# KiCad board woodpecker.kicad_pcb (continued)
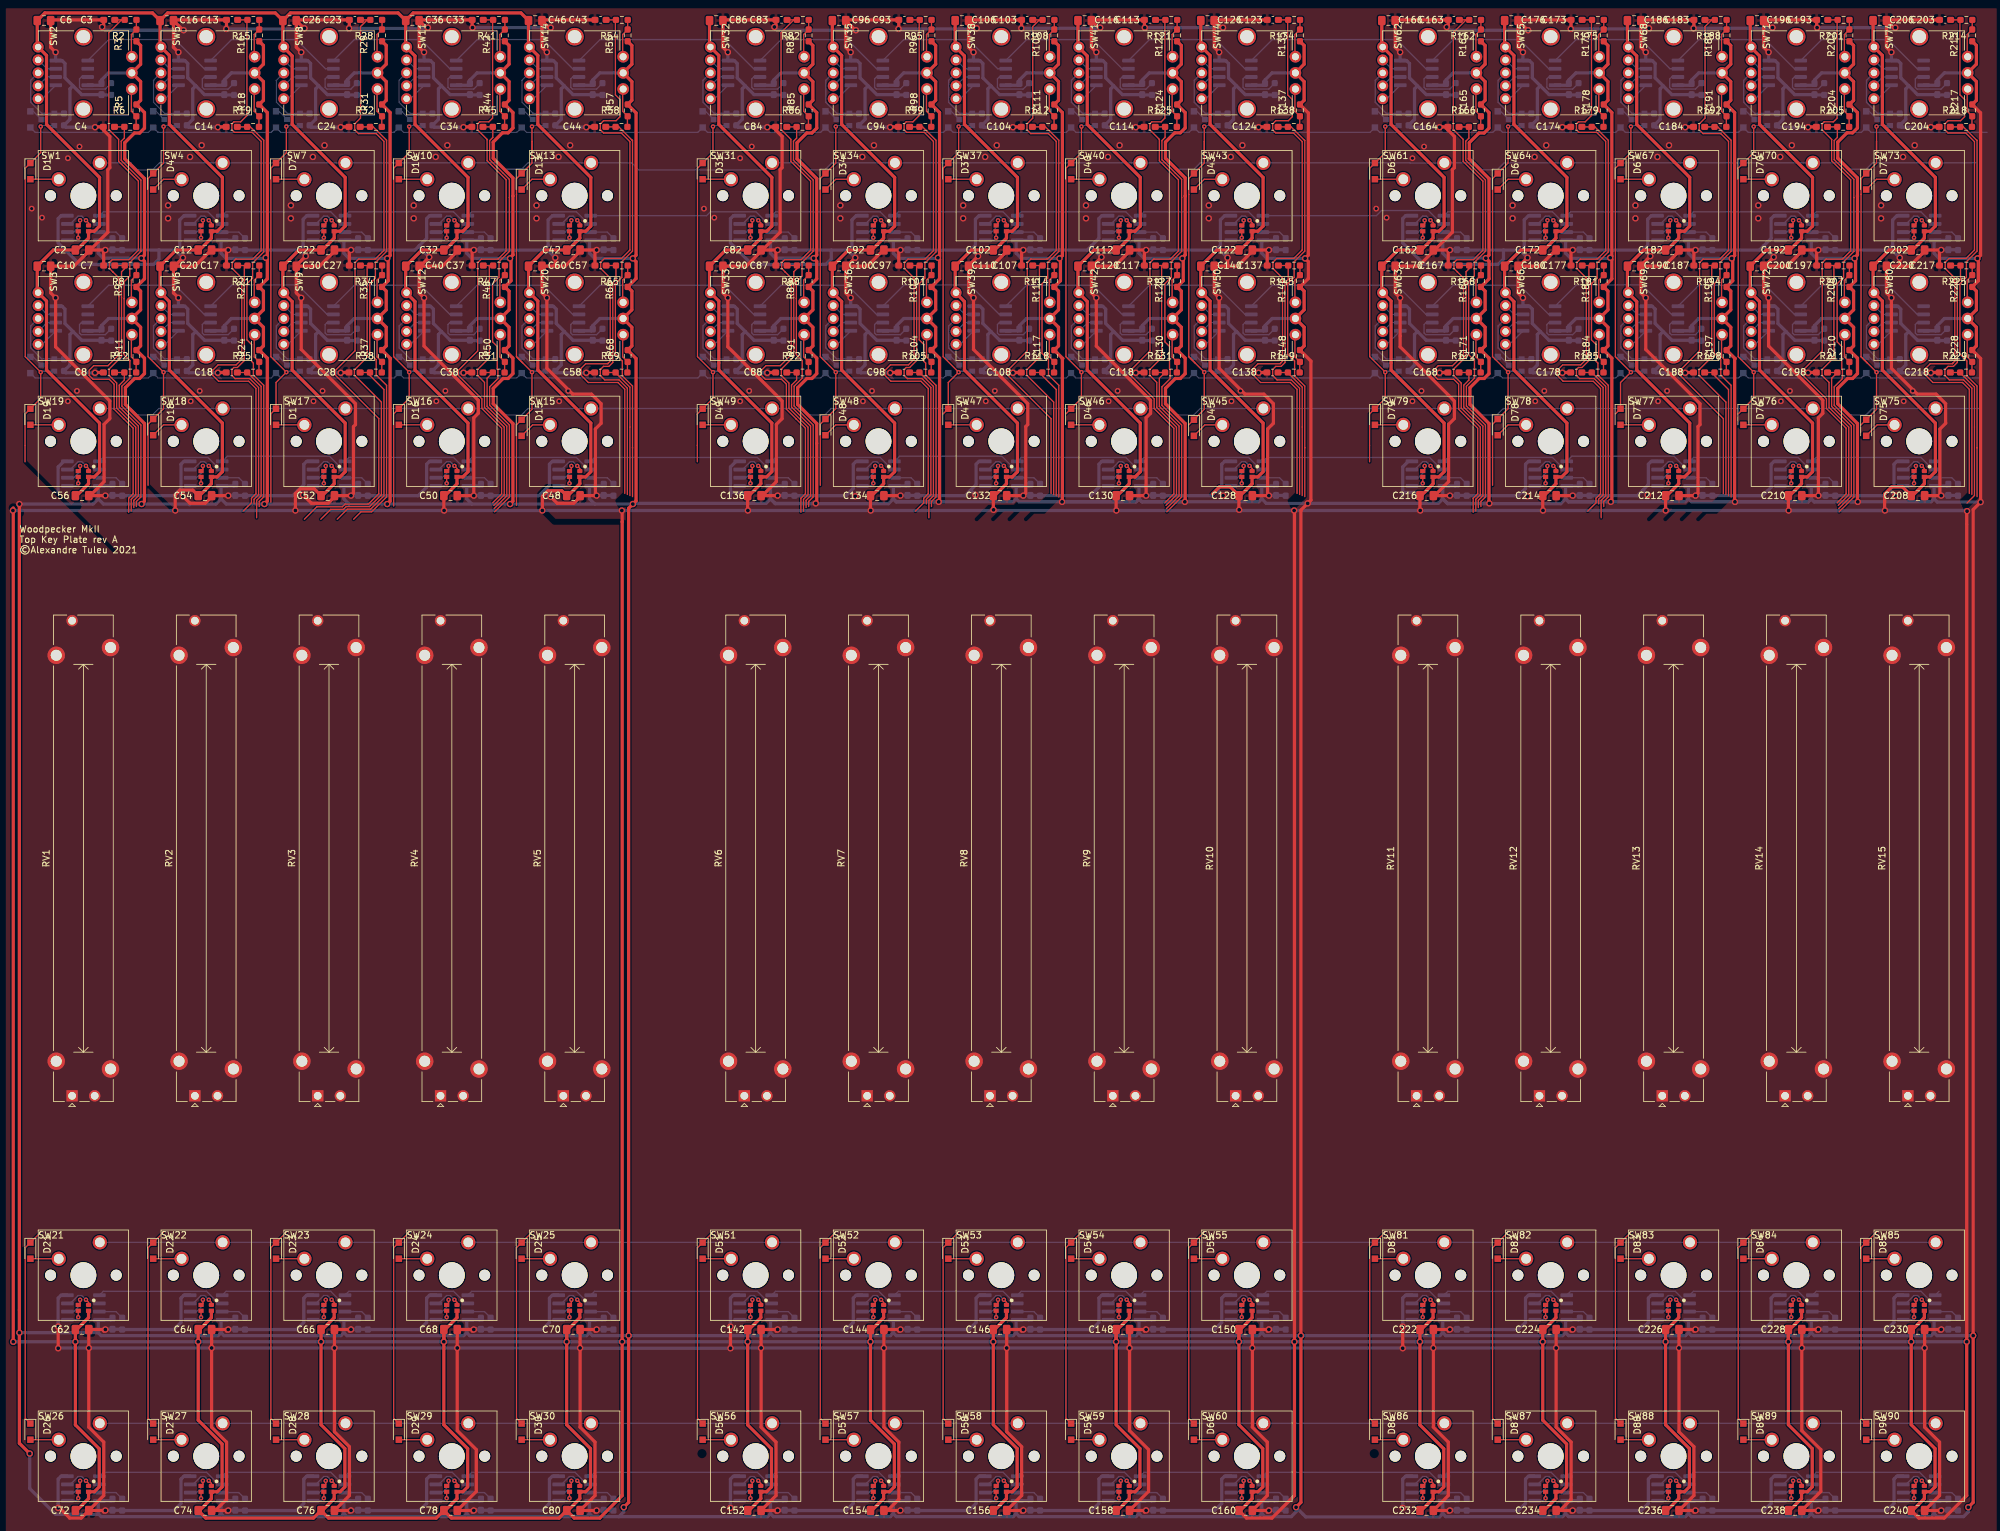
[diagram p0: board, top side]
## Nets (continued)
Net-(R65-Pad1): R65.1 R66.2 SW20.B
Net-(R67-Pad1): R67.1 U20.7
Net-(R68-Pad2): R68.2 R69.2 SW20.A
Net-(R71-Pad1): R71.1 U21.7
Net-(R72-Pad1): R72.1 U22.7
Net-(R73-Pad1): R73.1 U23.7
Net-(R74-Pad1): R74.1 U24.7
Net-(R75-Pad1): R75.1 U25.7
Net-(R76-Pad1): R76.1 U26.7
Net-(R77-Pad1): R77.1 U27.7
Net-(R78-Pad1): R78.1 U28.7
Net-(R79-Pad1): R79.1 U29.7
Net-(R80-Pad1): R80.1 U30.7
Net-(R81-Pad1): R81.1 U31.7
Net-(R82-Pad1): R82.1 R83.2 SW32.B
Net-(R84-Pad1): R84.1 U32.7
Net-(R85-Pad2): R85.2 R86.2 SW32.A
Net-(R88-Pad1): R88.1 R89.2 SW33.B
Net-(R90-Pad1): R90.1 U33.7
Net-(R91-Pad2): R91.2 R92.2 SW33.A
Net-(R94-Pad1): R94.1 U34.7
Net-(R95-Pad1): R95.1 R96.2 SW35.B
Net-(R97-Pad1): R97.1 U35.7
Net-(R98-Pad2): R98.2 R99.2 SW35.A
Net-(R101-Pad1): R101.1 R102.2 SW36.B
Net-(R103-Pad1): R103.1 U36.7
Net-(R104-Pad2): R104.2 R105.2 SW36.A
Net-(R107-Pad1): R107.1 U37.7
Net-(R108-Pad1): R108.1 R109.2 SW38.B
Net-(R110-Pad1): R110.1 U38.7
Net-(R111-Pad2): R111.2 R112.2 SW38.A
Net-(R114-Pad1): R114.1 R115.2 SW39.B
Net-(R116-Pad1): R116.1 U39.7
Net-(R117-Pad2): R117.2 R118.2 SW39.A
Net-(R120-Pad1): R120.1 U40.7
Net-(R121-Pad1): R121.1 R122.2 SW41.B
Net-(R123-Pad1): R123.1 U41.7
Net-(R124-Pad2): R124.2 R125.2 SW41.A
Net-(R127-Pad1): R127.1 R128.2 SW42.B
Net-(R129-Pad1): R129.1 U42.7
Net-(R130-Pad2): R130.2 R131.2 SW42.A
Net-(R133-Pad1): R133.1 U43.7
Net-(R134-Pad1): R134.1 R135.2 SW44.B
Net-(R136-Pad1): R136.1 U44.7
Net-(R137-Pad2): R137.2 R138.2 SW44.A
Net-(R140-Pad1): R140.1 U45.7
Net-(R141-Pad1): R141.1 U46.7
Net-(R142-Pad1): R142.1 U47.7
Net-(R143-Pad1): R143.1 U48.7
Net-(R144-Pad1): R144.1 U49.7
Net-(R145-Pad1): R145.1 R146.2 SW50.B
Net-(R147-Pad1): R147.1 U50.7
Net-(R148-Pad2): R148.2 R149.2 SW50.A
Net-(R151-Pad1): R151.1 U51.7
Net-(R152-Pad1): R152.1 U52.7
Net-(R153-Pad1): R153.1 U53.7
Net-(R154-Pad1): R154.1 U54.7
Net-(R155-Pad1): R155.1 U55.7
Net-(R156-Pad1): R156.1 U56.7
Net-(R157-Pad1): R157.1 U57.7
Net-(R158-Pad1): R158.1 U58.7
Net-(R159-Pad1): R159.1 U59.7
Net-(R160-Pad1): R160.1 U60.7
Net-(R161-Pad1): R161.1 U61.7
Net-(R162-Pad1): R162.1 R163.2 SW62.B
Net-(R164-Pad1): R164.1 U62.7
Net-(R165-Pad2): R165.2 R166.2 SW62.A
Net-(R168-Pad1): R168.1 R169.2 SW63.B
Net-(R170-Pad1): R170.1 U63.7
Net-(R171-Pad2): R171.2 R172.2 SW63.A
Net-(R174-Pad1): R174.1 U64.7
Net-(R175-Pad1): R175.1 R176.2 SW65.B
Net-(R177-Pad1): R177.1 U65.7
Net-(R178-Pad2): R178.2 R179.2 SW65.A
Net-(R181-Pad1): R181.1 R182.2 SW66.B
Net-(R183-Pad1): R183.1 U66.7
Net-(R184-Pad2): R184.2 R185.2 SW66.A
Net-(R187-Pad1): R187.1 U67.7
Net-(R188-Pad1): R188.1 R189.2 SW68.B
Net-(R190-Pad1): R190.1 U68.7
Net-(R191-Pad2): R191.2 R192.2 SW68.A
Net-(R194-Pad1): R194.1 R195.2 SW69.B
Net-(R196-Pad1): R196.1 U69.7
Net-(R197-Pad2): R197.2 R198.2 SW69.A
Net-(R200-Pad1): R200.1 U70.7
Net-(R201-Pad1): R201.1 R202.2 SW71.B
Net-(R203-Pad1): R203.1 U71.7
Net-(R204-Pad2): R204.2 R205.2 SW71.A
Net-(R207-Pad1): R207.1 R208.2 SW72.B
Net-(R209-Pad1): R209.1 U72.7
Net-(R210-Pad2): R210.2 R211.2 SW72.A
Net-(R213-Pad1): R213.1 U73.7
Net-(R214-Pad1): R214.1 R215.2 SW74.B
Net-(R216-Pad1): R216.1 U74.7
Net-(R217-Pad2): R217.2 R218.2 SW74.A
Net-(R220-Pad1): R220.1 U75.7
Net-(R221-Pad1): R221.1 U76.7
Net-(R222-Pad1): R222.1 U77.7
Net-(R223-Pad1): R223.1 U78.7
Net-(R224-Pad1): R224.1 U79.7
Net-(R225-Pad1): R225.1 R226.2 SW80.B
Net-(R227-Pad1): R227.1 U80.7
Net-(R228-Pad2): R228.2 R229.2 SW80.A
Net-(R231-Pad1): R231.1 U81.7
Net-(R232-Pad1): R232.1 U82.7
Net-(R233-Pad1): R233.1 U83.7
Net-(R234-Pad1): R234.1 U84.7
Net-(R235-Pad1): R235.1 U85.7
Net-(R236-Pad1): R236.1 U86.7
Net-(R237-Pad1): R237.1 U87.7
Net-(R238-Pad1): R238.1 U88.7
Net-(R239-Pad1): R239.1 U89.7
Net-(R240-Pad1): R240.1 U90.7
Net-(SW1-Pad1): SW1.1 U1.3
Net-(SW1-Pad2): SW1.2 U1.2
Net-(SW1-Pad4): SW1.4 U1.1
Net-(SW2-Pad1): SW2.1 U2.1
Net-(SW2-Pad2): SW2.2 U2.2
Net-(SW2-Pad4): SW2.4 U2.3
Net-(SW3-Pad1): SW3.1 U3.1
Net-(SW3-Pad2): SW3.2 U3.2
Net-(SW3-Pad4): SW3.4 U3.3
Net-(SW4-Pad1): SW4.1 U4.3
Net-(SW4-Pad2): SW4.2 U4.2
Net-(SW4-Pad4): SW4.4 U4.1
Net-(SW5-Pad1): SW5.1 U5.1
Net-(SW5-Pad2): SW5.2 U5.2
Net-(SW5-Pad4): SW5.4 U5.3
Net-(SW6-Pad1): SW6.1 U6.1
Net-(SW6-Pad2): SW6.2 U6.2
Net-(SW6-Pad4): SW6.4 U6.3
Net-(SW7-Pad1): SW7.1 U7.3
Net-(SW7-Pad2): SW7.2 U7.2
Net-(SW7-Pad4): SW7.4 U7.1
Net-(SW8-Pad1): SW8.1 U8.1
Net-(SW8-Pad2): SW8.2 U8.2
Net-(SW8-Pad4): SW8.4 U8.3
Net-(SW9-Pad1): SW9.1 U9.1
Net-(SW9-Pad2): SW9.2 U9.2
Net-(SW9-Pad4): SW9.4 U9.3
Net-(SW10-Pad1): SW10.1 U10.3
Net-(SW10-Pad2): SW10.2 U10.2
Net-(SW10-Pad4): SW10.4 U10.1
Net-(SW11-Pad1): SW11.1 U11.1
Net-(SW11-Pad2): SW11.2 U11.2
Net-(SW11-Pad4): SW11.4 U11.3
Net-(SW12-Pad1): SW12.1 U12.1
Net-(SW12-Pad2): SW12.2 U12.2
Net-(SW12-Pad4): SW12.4 U12.3
Net-(SW13-Pad1): SW13.1 U13.3
Net-(SW13-Pad2): SW13.2 U13.2
Net-(SW13-Pad4): SW13.4 U13.1
Net-(SW14-Pad1): SW14.1 U14.1
Net-(SW14-Pad2): SW14.2 U14.2
Net-(SW14-Pad4): SW14.4 U14.3
Net-(SW15-Pad1): SW15.1 U15.3
Net-(SW15-Pad2): SW15.2 U15.2
Net-(SW15-Pad4): SW15.4 U15.1
Net-(SW16-Pad1): SW16.1 U16.3
Net-(SW16-Pad2): SW16.2 U16.2
Net-(SW16-Pad4): SW16.4 U16.1
Net-(SW17-Pad1): SW17.1 U17.3
Net-(SW17-Pad2): SW17.2 U17.2
Net-(SW17-Pad4): SW17.4 U17.1
Net-(SW18-Pad1): SW18.1 U18.3
Net-(SW18-Pad2): SW18.2 U18.2
Net-(SW18-Pad4): SW18.4 U18.1
Net-(SW19-Pad1): SW19.1 U19.3
Net-(SW19-Pad2): SW19.2 U19.2
Net-(SW19-Pad4): SW19.4 U19.1
Net-(SW20-Pad1): SW20.1 U20.1
Net-(SW20-Pad2): SW20.2 U20.2
Net-(SW20-Pad4): SW20.4 U20.3
Net-(SW21-Pad1): SW21.1 U21.3
Net-(SW21-Pad2): SW21.2 U21.2
Net-(SW21-Pad4): SW21.4 U21.1
Net-(SW22-Pad1): SW22.1 U22.3
Net-(SW22-Pad2): SW22.2 U22.2
Net-(SW22-Pad4): SW22.4 U22.1
Net-(SW23-Pad1): SW23.1 U23.3
Net-(SW23-Pad2): SW23.2 U23.2
Net-(SW23-Pad4): SW23.4 U23.1
Net-(SW24-Pad1): SW24.1 U24.3
Net-(SW24-Pad2): SW24.2 U24.2
Net-(SW24-Pad4): SW24.4 U24.1
Net-(SW25-Pad1): SW25.1 U25.3
Net-(SW25-Pad2): SW25.2 U25.2
Net-(SW25-Pad4): SW25.4 U25.1
Net-(SW26-Pad1): SW26.1 U26.3
Net-(SW26-Pad2): SW26.2 U26.2
Net-(SW26-Pad4): SW26.4 U26.1
Net-(SW27-Pad1): SW27.1 U27.3
Net-(SW27-Pad2): SW27.2 U27.2
Net-(SW27-Pad4): SW27.4 U27.1
Net-(SW28-Pad1): SW28.1 U28.3
Net-(SW28-Pad2): SW28.2 U28.2
Net-(SW28-Pad4): SW28.4 U28.1
Net-(SW29-Pad1): SW29.1 U29.3
Net-(SW29-Pad2): SW29.2 U29.2
Net-(SW29-Pad4): SW29.4 U29.1
Net-(SW30-Pad1): SW30.1 U30.3
Net-(SW30-Pad2): SW30.2 U30.2
Net-(SW30-Pad4): SW30.4 U30.1
Net-(SW31-Pad1): SW31.1 U31.3
Net-(SW31-Pad2): SW31.2 U31.2
Net-(SW31-Pad4): SW31.4 U31.1
Net-(SW32-Pad1): SW32.1 U32.1
Net-(SW32-Pad2): SW32.2 U32.2
Net-(SW32-Pad4): SW32.4 U32.3
Net-(SW33-Pad1): SW33.1 U33.1
Net-(SW33-Pad2): SW33.2 U33.2
Net-(SW33-Pad4): SW33.4 U33.3
Net-(SW34-Pad1): SW34.1 U34.3
Net-(SW34-Pad2): SW34.2 U34.2
Net-(SW34-Pad4): SW34.4 U34.1
Net-(SW35-Pad1): SW35.1 U35.1
Net-(SW35-Pad2): SW35.2 U35.2
Net-(SW35-Pad4): SW35.4 U35.3
Net-(SW36-Pad1): SW36.1 U36.1
Net-(SW36-Pad2): SW36.2 U36.2
Net-(SW36-Pad4): SW36.4 U36.3
Net-(SW37-Pad1): SW37.1 U37.3
Net-(SW37-Pad2): SW37.2 U37.2
Net-(SW37-Pad4): SW37.4 U37.1
Net-(SW38-Pad1): SW38.1 U38.1
Net-(SW38-Pad2): SW38.2 U38.2
Net-(SW38-Pad4): SW38.4 U38.3
Net-(SW39-Pad1): SW39.1 U39.1
Net-(SW39-Pad2): SW39.2 U39.2
Net-(SW39-Pad4): SW39.4 U39.3
Net-(SW40-Pad1): SW40.1 U40.3
Net-(SW40-Pad2): SW40.2 U40.2
Net-(SW40-Pad4): SW40.4 U40.1
Net-(SW41-Pad1): SW41.1 U41.1
Net-(SW41-Pad2): SW41.2 U41.2
Net-(SW41-Pad4): SW41.4 U41.3
Net-(SW42-Pad1): SW42.1 U42.1
Net-(SW42-Pad2): SW42.2 U42.2
Net-(SW42-Pad4): SW42.4 U42.3
Net-(SW43-Pad1): SW43.1 U43.3
Net-(SW43-Pad2): SW43.2 U43.2
Net-(SW43-Pad4): SW43.4 U43.1
Net-(SW44-Pad1): SW44.1 U44.1
Net-(SW44-Pad2): SW44.2 U44.2
Net-(SW44-Pad4): SW44.4 U44.3
Net-(SW45-Pad1): SW45.1 U45.3
Net-(SW45-Pad2): SW45.2 U45.2
Net-(SW45-Pad4): SW45.4 U45.1
Net-(SW46-Pad1): SW46.1 U46.3
Net-(SW46-Pad2): SW46.2 U46.2
Net-(SW46-Pad4): SW46.4 U46.1
Net-(SW47-Pad1): SW47.1 U47.3
Net-(SW47-Pad2): SW47.2 U47.2
Net-(SW47-Pad4): SW47.4 U47.1
Net-(SW48-Pad1): SW48.1 U48.3
Net-(SW48-Pad2): SW48.2 U48.2
Net-(SW48-Pad4): SW48.4 U48.1
Net-(SW49-Pad1): SW49.1 U49.3
Net-(SW49-Pad2): SW49.2 U49.2
Net-(SW49-Pad4): SW49.4 U49.1
Net-(SW50-Pad1): SW50.1 U50.1
Net-(SW50-Pad2): SW50.2 U50.2
Net-(SW50-Pad4): SW50.4 U50.3
Net-(SW51-Pad1): SW51.1 U51.3
Net-(SW51-Pad2): SW51.2 U51.2
Net-(SW51-Pad4): SW51.4 U51.1
Net-(SW52-Pad1): SW52.1 U52.3
Net-(SW52-Pad2): SW52.2 U52.2
Net-(SW52-Pad4): SW52.4 U52.1
Net-(SW53-Pad1): SW53.1 U53.3
Net-(SW53-Pad2): SW53.2 U53.2
Net-(SW53-Pad4): SW53.4 U53.1
Net-(SW54-Pad1): SW54.1 U54.3
Net-(SW54-Pad2): SW54.2 U54.2
Net-(SW54-Pad4): SW54.4 U54.1
Net-(SW55-Pad1): SW55.1 U55.3
Net-(SW55-Pad2): SW55.2 U55.2
Net-(SW55-Pad4): SW55.4 U55.1
Net-(SW56-Pad1): SW56.1 U56.3
Net-(SW56-Pad2): SW56.2 U56.2
Net-(SW56-Pad4): SW56.4 U56.1
Net-(SW57-Pad1): SW57.1 U57.3
Net-(SW57-Pad2): SW57.2 U57.2
Net-(SW57-Pad4): SW57.4 U57.1
Net-(SW58-Pad1): SW58.1 U58.3
Net-(SW58-Pad2): SW58.2 U58.2
Net-(SW58-Pad4): SW58.4 U58.1
Net-(SW59-Pad1): SW59.1 U59.3
Net-(SW59-Pad2): SW59.2 U59.2
Net-(SW59-Pad4): SW59.4 U59.1
Net-(SW60-Pad1): SW60.1 U60.3
Net-(SW60-Pad2): SW60.2 U60.2
Net-(SW60-Pad4): SW60.4 U60.1
Net-(SW61-Pad1): SW61.1 U61.3
Net-(SW61-Pad2): SW61.2 U61.2
Net-(SW61-Pad4): SW61.4 U61.1
Net-(SW62-Pad1): SW62.1 U62.1
Net-(SW62-Pad2): SW62.2 U62.2
Net-(SW62-Pad4): SW62.4 U62.3
Net-(SW63-Pad1): SW63.1 U63.1
Net-(SW63-Pad2): SW63.2 U63.2
Net-(SW63-Pad4): SW63.4 U63.3
Net-(SW64-Pad1): SW64.1 U64.3
Net-(SW64-Pad2): SW64.2 U64.2
Net-(SW64-Pad4): SW64.4 U64.1
Net-(SW65-Pad1): SW65.1 U65.1
Net-(SW65-Pad2): SW65.2 U65.2
Net-(SW65-Pad4): SW65.4 U65.3
Net-(SW66-Pad1): SW66.1 U66.1
Net-(SW66-Pad2): SW66.2 U66.2
Net-(SW66-Pad4): SW66.4 U66.3
Net-(SW67-Pad1): SW67.1 U67.3
Net-(SW67-Pad2): SW67.2 U67.2
Net-(SW67-Pad4): SW67.4 U67.1
Net-(SW68-Pad1): SW68.1 U68.1
Net-(SW68-Pad2): SW68.2 U68.2
Net-(SW68-Pad4): SW68.4 U68.3
Net-(SW69-Pad1): SW69.1 U69.1
Net-(SW69-Pad2): SW69.2 U69.2
Net-(SW69-Pad4): SW69.4 U69.3
Net-(SW70-Pad1): SW70.1 U70.3
Net-(SW70-Pad2): SW70.2 U70.2
Net-(SW70-Pad4): SW70.4 U70.1
Net-(SW71-Pad1): SW71.1 U71.1
Net-(SW71-Pad2): SW71.2 U71.2
Net-(SW71-Pad4): SW71.4 U71.3
Net-(SW72-Pad1): SW72.1 U72.1
Net-(SW72-Pad2): SW72.2 U72.2
Net-(SW72-Pad4): SW72.4 U72.3
Net-(SW73-Pad1): SW73.1 U73.3
Net-(SW73-Pad2): SW73.2 U73.2
Net-(SW73-Pad4): SW73.4 U73.1
Net-(SW74-Pad1): SW74.1 U74.1
Net-(SW74-Pad2): SW74.2 U74.2
Net-(SW74-Pad4): SW74.4 U74.3
Net-(SW75-Pad1): SW75.1 U75.3
Net-(SW75-Pad2): SW75.2 U75.2
Net-(SW75-Pad4): SW75.4 U75.1
Net-(SW76-Pad1): SW76.1 U76.3
Net-(SW76-Pad2): SW76.2 U76.2
Net-(SW76-Pad4): SW76.4 U76.1
Net-(SW77-Pad1): SW77.1 U77.3
Net-(SW77-Pad2): SW77.2 U77.2
Net-(SW77-Pad4): SW77.4 U77.1
Net-(SW78-Pad1): SW78.1 U78.3
Net-(SW78-Pad2): SW78.2 U78.2
Net-(SW78-Pad4): SW78.4 U78.1
Net-(SW79-Pad1): SW79.1 U79.3
Net-(SW79-Pad2): SW79.2 U79.2
Net-(SW79-Pad4): SW79.4 U79.1
Net-(SW80-Pad1): SW80.1 U80.1
Net-(SW80-Pad2): SW80.2 U80.2
Net-(SW80-Pad4): SW80.4 U80.3
Net-(SW81-Pad1): SW81.1 U81.3
Net-(SW81-Pad2): SW81.2 U81.2
Net-(SW81-Pad4): SW81.4 U81.1
Net-(SW82-Pad1): SW82.1 U82.3
Net-(SW82-Pad2): SW82.2 U82.2
Net-(SW82-Pad4): SW82.4 U82.1
Net-(SW83-Pad1): SW83.1 U83.3
Net-(SW83-Pad2): SW83.2 U83.2
Net-(SW83-Pad4): SW83.4 U83.1
Net-(SW84-Pad1): SW84.1 U84.3
Net-(SW84-Pad2): SW84.2 U84.2
Net-(SW84-Pad4): SW84.4 U84.1
Net-(SW85-Pad1): SW85.1 U85.3
Net-(SW85-Pad2): SW85.2 U85.2
Net-(SW85-Pad4): SW85.4 U85.1
Net-(SW86-Pad1): SW86.1 U86.3
Net-(SW86-Pad2): SW86.2 U86.2
Net-(SW86-Pad4): SW86.4 U86.1
Net-(SW87-Pad1): SW87.1 U87.3
Net-(SW87-Pad2): SW87.2 U87.2
Net-(SW87-Pad4): SW87.4 U87.1
Net-(SW88-Pad1): SW88.1 U88.3
Net-(SW88-Pad2): SW88.2 U88.2
Net-(SW88-Pad4): SW88.4 U88.1
Net-(SW89-Pad1): SW89.1 U89.3
Net-(SW89-Pad2): SW89.2 U89.2
Net-(SW89-Pad4): SW89.4 U89.1
Net-(SW90-Pad1): SW90.1 U90.3
Net-(SW90-Pad2): SW90.2 U90.2
Net-(SW90-Pad4): SW90.4 U90.1

Pads without a net: RV1 2 MP; RV2 2 MP; RV3 2 MP; RV4 2 MP; RV5 2 MP; RV6 1 2 3 MP; RV7 1 2 3 MP; RV8 1 2 3 MP; RV9 1 2 3 MP; RV10 1 2 3 MP; RV11 1 2 3 MP; RV12 1 2 3 MP; RV13 1 2 3 MP; RV14 1 2 3 MP; RV15 1 2 3 MP; U1 6; U2 6; U3 6; U19 6; U21 6; U26 6; U73 5; U74 5; U75 5; U80 5; U85 5; U90 5

## Via types
v1: diameter 1, hole 0.6, Top to Bottom, 313 vias
v2: diameter 0.9, hole 0.5, Top to Bottom, 42 vias
v3: diameter 0.7, hole 0.3, Top to Bottom, 210 vias

## Routing (per net, layer and track width the routed paths; a pad name or vN(x,y) marks a point on that pad's centre or on a via; arc(x,y) is an arc through that point)
+3V3: length 3404.4
  Top w0.5: 55.35,155.55 v1(55.2,155.7) 55.65,156.15 55.65,178.16 55.7,178.21 R37.1 55.05,180.16 55.05,183.05 SW9.C 55.05,185.75 55.05,188.64 R35.1 55.35,190.24 55.35,193.55 v1(55.2,193.7) 55.65,194.15 55.65,216.26 R31.1 55.05,218.16 55.05,221.05 SW8.C 55.05,223.75 55.05,226.64 R29.1 ; R42.1 74.05,226.64 74.05,223.75 SW11.C 74.05,221.05 74.05,218.16 R44.1 74.65,216.26 74.65,213.88 73.9,213.12 73.02,213.12 71.6,211.7 71.6,209.2 74.65,206.15 74.65,203.35 74.65,194.25 74.2,193.8 v1(74.2,193.7) 74.35,193.55 74.35,190.24 R48.1 74.05,188.64 74.05,185.75 SW12.C 74.05,183.05 74.05,180.16 R50.1 74.65,178.26 74.65,175.88 73.9,175.12 73.12,175.12 71.6,173.6 71.6,171.2 74.65,168.15 74.65,156.15 v1(74.2,155.7) 74.35,155.55 ; R55.1 93.05,226.64 93.05,223.75 SW14.C 93.05,221.05 93.05,218.16 R57.1 93.7,216.21 93.7,194.2 v1(93.2,193.7) ; 36.35,155.55 v1(36.2,155.7) 36.65,156.15 36.65,178.26 R24.1 36.05,180.16 36.05,183.05 SW6.C 36.05,185.75 36.05,188.64 R22.1 36.65,190.54 36.65,193.55 v1(36.4,193.8) 36.65,194.05 36.65,216.26 R18.1 36.05,218.16 36.05,221.05 SW5.C 36.05,223.75 36.05,226.64 R16.1 ; 93.35,193.55 v1(93.2,193.7) ; v1(93.2,193.7) 93.7,193.2 93.7,190.59 R66.1 93.05,188.64 93.05,185.75 SW20.C 93.05,183.05 93.05,180.16 R68.1 93.7,178.21 93.7,156.2 v1(93.2,155.7) ; 93.35,155.55 v1(93.2,155.7) ; v1(93.2,155.7) 92.55,155.05 v1(92.55,27.05) 92.55,1.25 v1(91.8,0.5) ; R3.1 17.05,226.64 17.05,223.75 SW2.C 17.05,221.05 17.05,218.16 R5.1 17.65,216.26 17.65,213.85 16.9,213.1 16.1,213.1 14.6,211.6 14.6,209.1 17.65,206.05 17.65,194.22 v1(17.17,193.73) 17.65,193.25 17.65,190.54 R9.1 17.05,188.64 17.05,185.75 SW3.C 17.05,183.05 17.05,180.16 R11.1 17.65,178.26 17.65,175.88 16.9,175.12 16.12,175.12 14.7,173.7 14.7,171.1 17.65,168.15 17.65,156.15 v1(17.2,155.7) 17.35,155.55 ; v1(195.8,0.5) 196.55,1.25 v1(196.55,27.05) 196.55,154.75 v1(197.6,155.8) 198.1,156.3 198.1,177.81 R148.1 197.05,180.16 197.05,183.05 SW50.C 197.05,185.75 197.05,188.64 R146.1 197.7,190.59 197.7,193.2 v1(197.2,193.7) ; v1(299.8,0.5) 300.55,1.25 v1(300.55,27.05) 300.55,154.85 v1(301.7,156) 301.7,178.21 R228.1 301.05,180.16 301.05,183.05 SW80.C 301.05,185.75 301.05,188.64 R226.1 300.4,189.3 301.35,190.25 301.35,193.55 v1(301.2,193.7) 301.7,194.2 301.7,216.21 R217.1 301.05,218.16 301.05,221.05 SW74.C 301.05,223.75 301.05,226.64 R215.1 ; R83.1 121.05,226.64 121.05,223.75 SW32.C 121.05,221.05 121.05,218.16 R85.1 121.65,216.26 121.65,213.85 120.9,213.1 120.1,213.1 118.6,211.6 118.6,209.1 121.65,206.05 121.65,194.22 v1(121.17,193.73) 121.65,193.25 121.65,190.54 R89.1 121.05,188.64 121.05,185.75 SW33.C 121.05,183.05 121.05,180.16 R91.1 121.65,178.26 121.65,175.88 120.9,175.12 120.12,175.12 118.7,173.7 118.7,171.1 121.65,168.15 121.65,155.95 v1(121.5,155.8) ; R96.1 140.05,226.64 140.05,223.75 SW35.C 140.05,221.05 140.05,218.16 R98.1 140.65,216.26 140.65,194.05 v1(140.4,193.8) 140.65,193.55 140.65,190.54 R102.1 140.05,188.64 140.05,185.75 SW36.C 140.05,183.05 140.05,180.16 R104.1 140.65,178.26 140.65,156.17 v1(140.52,156.04) ; R109.1 159.05,226.64 159.05,223.75 SW38.C 159.05,221.05 159.05,218.16 R111.1 159.65,216.26 159.65,194.15 v1(159.2,193.7) 159.35,193.55 159.35,190.24 R115.1 159.05,188.64 159.05,185.75 SW39.C 159.05,183.05 159.05,180.16 R117.1 159.7,178.21 ; R122.1 178.05,226.64 178.05,223.75 SW41.C 178.05,221.05 178.05,218.16 R124.1 178.65,216.26 178.65,213.88 177.9,213.12 177.02,213.12 175.6,211.7 175.6,209.2 178.65,206.15 178.65,203.35 178.65,194.25 178.2,193.8 v1(178.2,193.7) 178.35,193.55 178.35,190.24 R128.1 178.05,188.64 178.05,185.75 SW42.C 178.05,183.05 178.05,180.16 R130.1 178.65,178.26 178.65,175.88 177.9,175.12 177.12,175.12 175.6,173.6 175.6,171.2 178.65,168.15 178.65,156.09 v1(178.6,156.04) ; R135.1 197.05,226.64 197.05,223.75 SW44.C 197.05,221.05 197.05,218.16 R137.1 197.7,216.21 197.7,194.2 v1(197.2,193.7) ; 197.35,193.55 v1(197.2,193.7) ; 159.7,178.21 159.65,178.16 ; 159.7,178.21 159.65,178.16 ; 159.65,178.16 159.65,156.09 v1(159.6,156.04) ; R163.1 225.05,226.64 225.05,223.75 SW62.C 225.05,221.05 225.05,218.16 R165.1 225.65,216.26 225.65,213.85 224.9,213.1 224.1,213.1 222.6,211.6 222.6,209.1 225.65,206.05 225.65,194.22 v1(225.17,193.73) 225.65,193.25 225.65,190.54 R169.1 225.05,188.64 225.05,185.75 SW63.C 225.05,183.05 225.05,180.16 R171.1 225.65,178.26 225.65,175.88 224.9,175.12 224.12,175.12 222.7,173.7 222.7,171.1 225.65,168.15 225.65,155.85 v1(225.7,155.8) ; R176.1 244.05,226.64 244.05,223.75 SW65.C 244.05,221.05 244.05,218.16 R178.1 244.65,216.26 244.65,194.05 v1(244.4,193.8) 244.65,193.55 244.65,190.54 R182.1 244.05,188.64 244.05,185.75 SW66.C 244.05,183.05 244.05,180.16 R184.1 244.65,178.26 244.65,156.2 v1(244.49,156.04) ; R189.1 263.05,226.64 263.05,223.75 SW68.C 263.05,221.05 263.05,218.16 R191.1 263.65,216.26 263.65,194.15 v1(263.2,193.7) 263.35,193.55 263.35,190.24 R195.1 263.05,188.64 263.05,185.75 SW69.C 263.05,183.05 263.05,180.16 R197.1 263.7,178.21 ; R202.1 282.05,226.64 282.05,223.75 SW71.C 282.05,221.05 282.05,218.16 R204.1 282.65,216.26 282.65,213.88 281.9,213.12 281.02,213.12 279.6,211.7 279.6,209.2 282.65,206.15 282.65,203.35 282.65,194.25 282.2,193.8 v1(282.2,193.7) 282.35,193.55 282.35,190.24 R208.1 282.05,188.64 282.05,185.75 SW72.C 282.05,183.05 282.05,180.16 R210.1 282.65,178.26 282.65,175.88 281.9,175.12 281.12,175.12 279.6,173.6 279.6,171.2 282.65,168.15 282.65,156.09 v1(282.7,156.04) ; 263.7,178.21 263.65,178.16 ; 263.7,178.21 263.65,178.16 ; 263.65,178.16 263.65,156.09 v1(263.7,156.04) ; v1(-1.7,155.7) v1(-1.7,27.5) -1.7,10.4 v1(-0.1,8.8)
  Bottom w0.5: 68.3,155.7 v1(55.2,155.7) 49.3,155.7 ; 68.3,155.7 67.5,156.5 67.5,158.32 U16.8 69.43,158.5 C49.1 ; 68.3,155.7 v1(74.2,155.7) 87.3,155.7 ; 49.3,155.7 48.5,156.5 48.5,158.32 U17.8 50.43,158.5 C51.1 ; 49.3,155.7 v1(36.2,155.7) 30.3,155.7 29.5,156.5 ; SW5.C 31.1,222.4 30,221.3 C15.1 29.73,220.5 U5.8 ; v1(55.2,193.7) 49.3,193.7 48.5,194.5 48.5,196.32 U7.8 50.43,196.5 C21.1 ; SW9.C 50.1,184.4 49,183.3 C29.1 48.73,182.5 U9.8 ; SW6.C 31.1,184.4 30,183.3 C19.1 29.73,182.5 U6.8 ; SW20.C 88.1,184.4 87,183.3 C59.1 86.73,182.5 U20.8 ; 87.3,155.7 86.5,156.5 86.5,158.32 U15.8 88.43,158.5 C47.1 ; 87.3,155.7 v1(93.2,155.7) 93.3,155.8 113.8,155.8 114.5,156.5 ; 29.5,156.5 28.7,155.7 24.5,155.7 ; 29.5,156.5 29.5,158.32 U18.8 31.43,158.5 C53.1 ; SW12.C 69.1,184.4 68,183.3 C39.1 67.73,182.5 U12.8 ; C11.1 31.43,196.5 U4.8 29.5,196.32 29.5,194.5 30.3,193.7 36.3,193.7 v1(36.4,193.8) ; SW3.C 12.1,184.4 11,183.3 C9.1 10.73,182.5 U3.8 ; SW14.C 88.1,222.4 87,221.3 C45.1 86.73,220.5 U14.8 ; C55.1 12.43,158.5 U19.8 10.5,158.32 10.5,156.5 ; SW11.C 69.1,222.4 68,221.3 C35.1 67.73,220.5 U11.8 ; SW8.C 50.1,222.4 49,221.3 C25.1 48.73,220.5 U8.8 ; C1.1 12.43,196.5 U1.8 10.5,196.32 10.5,194.5 11.27,193.73 v1(17.17,193.73) ; C31.1 69.43,196.5 U10.8 67.5,196.32 67.5,194.5 68.3,193.7 v1(74.2,193.7) ; C41.1 88.43,196.5 U13.8 86.5,196.32 86.5,194.5 87.3,193.7 v1(93.2,193.7) ; 24.5,155.7 v1(17.2,155.7) 11.3,155.7 10.5,156.5 ; 24.5,155.7 24.61,155.59 ; 10.5,156.5 9.7,155.7 v1(-1.7,155.7) ; U2.8 10.73,220.5 C5.1 11,221.3 12.1,222.4 SW2.C ; C61.1 12.43,29.5 U21.8 10.5,29.32 10.5,27.5 ; 10.5,27.5 10.95,27.05 29.05,27.05 29.5,27.5 ; 10.5,27.5 v1(-1.7,27.5) ; C79.1 88.43,1.5 U30.8 86.5,1.32 86.5,-0.5 ; 86.5,-0.5 86.95,-0.95 91.06,-0.95 ; 86.5,-0.5 86.05,-0.95 67.95,-0.95 67.5,-0.5 ; C63.1 31.43,29.5 U22.8 29.5,29.32 29.5,27.5 ; 29.5,27.5 29.95,27.05 48.05,27.05 48.5,27.5 ; C65.1 50.43,29.5 U23.8 48.5,29.32 48.5,27.5 ; 48.5,27.5 48.95,27.05 67.05,27.05 67.5,27.5 ; C67.1 69.43,29.5 U24.8 67.5,29.32 67.5,27.5 ; 67.5,27.5 67.95,27.05 86.05,27.05 86.5,27.5 ; C69.1 88.43,29.5 U25.8 86.5,29.32 86.5,27.5 ; 86.5,27.5 86.95,27.05 v1(92.55,27.05) 114.05,27.05 114.5,27.5 ; C71.1 12.43,1.5 U26.8 10.5,1.32 10.5,-0.5 ; 10.5,-0.5 10.95,-0.95 29.05,-0.95 29.5,-0.5 ; 10.5,-0.5 10.4,-0.6 3.89,-0.6 -0.1,3.39 v1(-0.1,8.8) ; C73.1 31.43,1.5 U27.8 29.5,1.32 29.5,-0.5 ; 29.5,-0.5 29.95,-0.95 48.05,-0.95 48.5,-0.5 ; C75.1 50.43,1.5 U28.8 48.5,1.32 48.5,-0.5 ; 48.5,-0.5 48.95,-0.95 67.05,-0.95 67.5,-0.5 ; C77.1 69.43,1.5 U29.8 67.5,1.32 67.5,-0.5 ; C141.1 116.43,29.5 U51.8 114.5,29.32 114.5,27.5 ; 114.5,27.5 114.95,27.05 133.05,27.05 133.5,27.5 ; C159.1 192.43,1.5 U60.8 190.5,1.32 190.5,-0.5 ; 190.5,-0.5 190.95,-0.95 195.06,-0.95 195.8,-0.21 v1(195.8,0.5) 197.3,-1 218,-1 218.5,-0.5 ; 190.5,-0.5 190.05,-0.95 171.95,-0.95 171.5,-0.5 ; C143.1 135.43,29.5 U52.8 133.5,29.32 133.5,27.5 ; 133.5,27.5 133.95,27.05 152.05,27.05 152.5,27.5 ; C145.1 154.43,29.5 U53.8 152.5,29.32 152.5,27.5 ; 152.5,27.5 152.95,27.05 171.05,27.05 171.5,27.5 ; C147.1 173.43,29.5 U54.8 171.5,29.32 171.5,27.5 ; 171.5,27.5 171.95,27.05 190.05,27.05 190.5,27.5 ; C149.1 192.43,29.5 U55.8 190.5,29.32 190.5,27.5 ; 190.5,27.5 190.95,27.05 v1(196.55,27.05) 218.05,27.05 218.5,27.5 ; C151.1 116.43,1.5 U56.8 114.5,1.32 114.5,-0.5 ; 114.5,-0.5 114.4,-0.6 ; 114.5,-0.5 114.95,-0.95 133.05,-0.95 133.5,-0.5 ; 114.5,-0.5 114.05,-0.95 91.06,-0.95 ; C153.1 135.43,1.5 U57.8 133.5,1.32 133.5,-0.5 ; 133.5,-0.5 133.95,-0.95 152.05,-0.95 152.5,-0.5 ; C155.1 154.43,1.5 U58.8 152.5,1.32 152.5,-0.5 ; 152.5,-0.5 152.95,-0.95 171.05,-0.95 171.5,-0.5 ; C157.1 173.43,1.5 U59.8 171.5,1.32 171.5,-0.5 ; C221.1 220.43,29.5 U81.8 218.5,29.32 218.5,27.5 ; 218.5,27.5 218.95,27.05 237.05,27.05 237.5,27.5 ; C239.1 296.43,1.5 U90.8 294.5,1.32 294.5,-0.5 ; 294.5,-0.5 294.95,-0.95 299.06,-0.95 299.8,-0.21 v1(299.8,0.5) ; 294.5,-0.5 294.05,-0.95 275.95,-0.95 275.5,-0.5 ; C223.1 239.43,29.5 U82.8 237.5,29.32 237.5,27.5 ; 237.5,27.5 237.95,27.05 256.05,27.05 256.5,27.5 ; C225.1 258.43,29.5 U83.8 256.5,29.32 256.5,27.5 ; 256.5,27.5 256.95,27.05 275.05,27.05 275.5,27.5 ; C227.1 277.43,29.5 U84.8 275.5,29.32 275.5,27.5 ; 275.5,27.5 275.95,27.05 294.05,27.05 294.5,27.5 ; C229.1 296.43,29.5 U85.8 294.5,29.32 294.5,27.5 ; 294.5,27.5 294.95,27.05 v1(300.55,27.05) ; C231.1 220.43,1.5 U86.8 218.5,1.32 218.5,-0.5 ; C233.1 239.43,1.5 U87.8 237.5,1.32 237.5,-0.5 ; 237.5,-0.5 237.05,-0.95 218.95,-0.95 218.5,-0.5 ; 237.5,-0.5 237.95,-0.95 256.05,-0.95 256.5,-0.5 ; C235.1 258.43,1.5 U88.8 256.5,1.32 256.5,-0.5 ; 256.5,-0.5 256.95,-0.95 275.05,-0.95 275.5,-0.5 ; C237.1 277.43,1.5 U89.8 275.5,1.32 275.5,-0.5 ; C81.1 116.43,196.5 U31.8 114.5,196.32 114.5,194.5 115.27,193.73 v1(121.17,193.73) ; SW33.C 116.1,184.4 115,183.3 C89.1 114.73,182.5 112.88,182.5 ; SW32.C 116.1,222.4 115,221.3 C85.1 114.73,220.5 112.88,220.5 ; SW35.C 135.1,222.4 134,221.3 C95.1 133.73,220.5 131.88,220.5 ; SW36.C 135.1,184.4 134,183.3 C99.1 133.73,182.5 131.88,182.5 ; SW38.C 154.1,222.4 153,221.3 C105.1 152.73,220.5 150.88,220.5 ; SW39.C 154.1,184.4 153,183.3 C109.1 152.73,182.5 150.88,182.5 ; SW41.C 173.1,222.4 172,221.3 C115.1 171.73,220.5 169.88,220.5 ; SW42.C 173.1,184.4 172,183.3 C119.1 171.73,182.5 169.88,182.5 ; SW44.C 192.1,222.4 191,221.3 C125.1 190.73,220.5 188.88,220.5 ; SW50.C 192.1,184.4 191,183.3 C139.1 190.73,182.5 188.88,182.5 ; C135.1 116.43,158.5 U49.8 114.5,158.32 114.5,156.5 ; 114.5,156.5 115.2,155.8 v1(121.5,155.8) ; 114.5,156.5 115.25,155.75 132.75,155.75 133.5,156.5 ; C91.1 135.43,196.5 U34.8 133.5,196.32 133.5,194.5 134.3,193.7 140.3,193.7 v1(140.4,193.8) ; C133.1 135.43,158.5 U48.8 133.5,158.32 133.5,156.5 ; 133.5,156.5 133.96,156.04 v1(140.52,156.04) ; 133.5,156.5 133.95,156.05 152.05,156.05 152.5,156.5 ; C101.1 154.43,196.5 U37.8 152.5,196.32 152.5,194.5 153.3,193.7 v1(159.2,193.7) ; C131.1 154.43,158.5 U47.8 152.5,158.32 152.5,156.5 ; 152.5,156.5 152.95,156.05 171.05,156.05 171.5,156.5 ; C111.1 173.43,196.5 U40.8 171.5,196.32 171.5,194.5 172.3,193.7 v1(178.2,193.7) ; C129.1 173.43,158.5 U46.8 171.5,158.32 171.5,156.5 ; 171.5,156.5 171.96,156.04 v1(178.6,156.04) ; 171.5,156.5 171.04,156.04 v1(159.6,156.04) ; 171.5,156.5 171.95,156.05 190.05,156.05 190.5,156.5 ; C121.1 192.43,196.5 U43.8 190.5,196.32 190.5,194.5 191.3,193.7 v1(197.2,193.7) ; C127.1 192.43,158.5 U45.8 190.5,158.32 190.5,156.5 ; 190.5,156.5 191.2,155.8 217.8,155.8 218.5,156.5 ; C161.1 220.43,196.5 U61.8 218.5,196.32 218.5,194.5 219.27,193.73 v1(225.17,193.73) ; SW63.C 220.1,184.4 219,183.3 C169.1 218.73,182.5 216.88,182.5 ; SW62.C 220.1,222.4 219,221.3 C165.1 218.73,220.5 216.88,220.5 ; SW65.C 239.1,222.4 238,221.3 C175.1 237.73,220.5 U65.8 ; SW66.C 239.1,184.4 238,183.3 C179.1 237.73,182.5 U66.8 ; SW68.C 258.1,222.4 257,221.3 C185.1 256.73,220.5 U68.8 ; SW69.C 258.1,184.4 257,183.3 C189.1 256.73,182.5 U69.8 ; SW71.C 277.1,222.4 276,221.3 C195.1 275.73,220.5 U71.8 ; SW72.C 277.1,184.4 276,183.3 C199.1 275.73,182.5 U72.8 ; SW74.C 296.1,222.4 295,221.3 C205.1 294.73,220.5 U74.8 ; SW80.C 296.1,184.4 295,183.3 C219.1 294.73,182.5 U80.8 ; C215.1 220.43,158.5 U79.8 218.5,158.32 218.5,156.5 ; 218.5,156.5 219.25,155.75 236.75,155.75 237.5,156.5 ; 218.5,156.5 219.2,155.8 v1(225.7,155.8) ; C171.1 239.43,196.5 U64.8 237.5,196.32 237.5,194.5 238.3,193.7 244.3,193.7 v1(244.4,193.8) ; C213.1 239.43,158.5 U78.8 237.5,158.32 237.5,156.5 ; 237.5,156.5 237.95,156.05 256.05,156.05 256.5,156.5 ; 237.5,156.5 237.96,156.04 v1(244.49,156.04) ; C181.1 258.43,196.5 U67.8 256.5,196.32 256.5,194.5 257.3,193.7 v1(263.2,193.7) ; C211.1 258.43,158.5 U77.8 256.5,158.32 256.5,156.5 ; 256.5,156.5 256.95,156.05 275.05,156.05 275.5,156.5 ; C191.1 277.43,196.5 U70.8 275.5,196.32 275.5,194.5 276.3,193.7 v1(282.2,193.7) ; C209.1 277.43,158.5 U76.8 275.5,158.32 275.5,156.5 ; 275.5,156.5 275.95,156.05 294.05,156.05 294.5,156.5 ; 275.5,156.5 275.04,156.04 v1(263.7,156.04) ; 275.5,156.5 275.96,156.04 v1(282.7,156.04) ; C201.1 296.43,196.5 U73.8 294.5,196.32 294.5,194.5 295.3,193.7 v1(301.2,193.7) ; C207.1 296.43,158.5 U75.8 294.5,158.32 294.5,156.5 ; 294.5,156.5 295,156 v1(301.7,156) ; 91.06,-0.95 91.8,-0.21 v1(91.8,0.5) ; 218.5,-0.5 218.4,-0.6
